# Altium PCB MINI_BLDC_DRV.PcbDoc (part 2 of 2)
Units mil, origin at the board's own origin, x right, y up, seen from the top; angles counter-clockwise.
Board outline 3935 x 3067 mil, 2 copper layers (Top Layer, Bottom Layer); 225 components, 152 nets, 664 pads, 235 vias.
Unrouted connection lines stored in the file: 45.
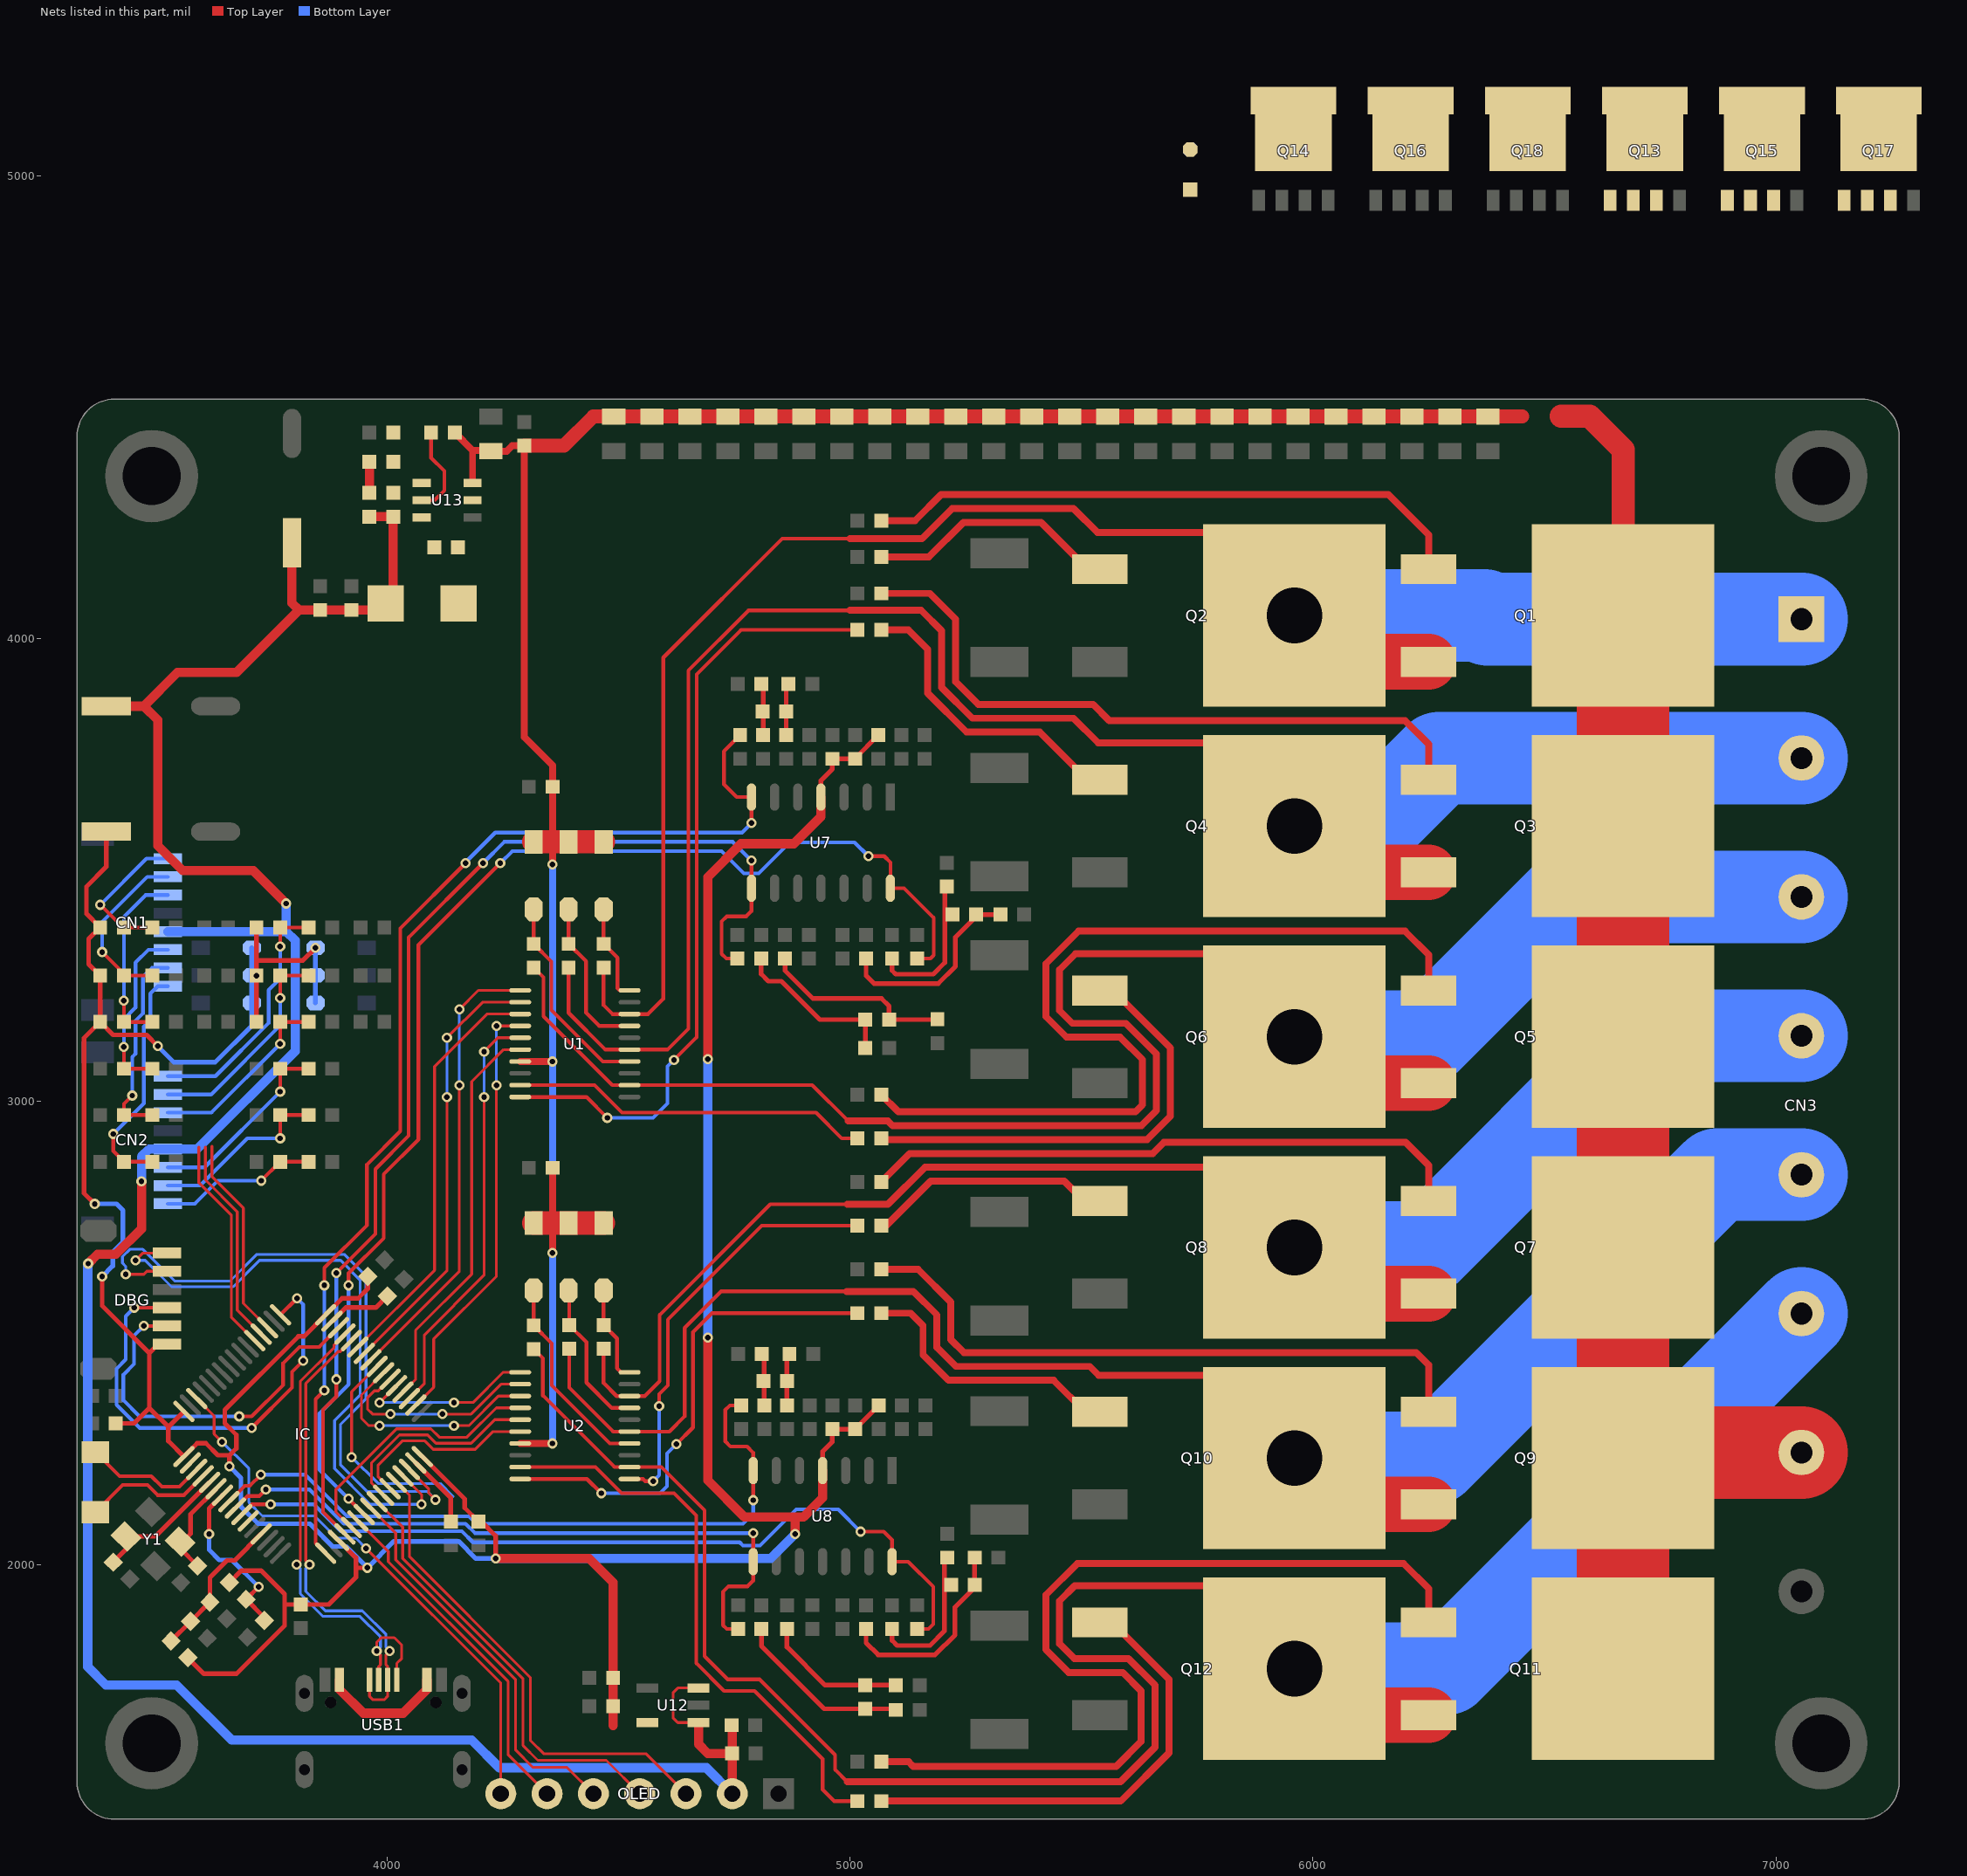
[diagram p2: the nets of this part, all layers, seen from the top]

## Via types
v1: diameter 22, hole 12, Top Layer to Bottom Layer, 229 vias
v2: diameter 180, hole 120, Top Layer to Bottom Layer, 6 vias

## Nets (pads, with @x,y where several pads share a name; then routed paths per layer and width w, separated by ;. In a path a pad name is that pad's centre, name@x,y a point inside that pad or via, vN(x,y) a via of type N, cw(c..) or ccw(c..) an arc to the next point about the centre after c; other vN are vias at no path point) (continued)
LO12: D12.2 R11.1 U2.11 | length 908.6
  Top Layer w8: U2.11@4524.11,2184.84 4553.16,2184.84 4558,2180 v1(4575,2180) ; v1(4588,2342) 4588,2368 4607,2387 4607,2529 4809.8,2731.8 R11.1@5016.41,2731.8
  Bottom Layer w8: v1(4575,2180) 4588,2193 v1(4588,2342)
LO21: D6.2 R5.1 U1.10 | length 1689.8
  Top Layer w8: U1.10@4287.89,3009.84 4431.16,3009.84 v1(4476,2965) ; v1(4620,3090) 4669,3139 4669,3923 4765,4019 R5.1@5016.41,4019
  Bottom Layer w8: v1(4476,2965) 4575,2965 4606,2996 4606,3076 v1(4620,3090)
LO22: D15.2 R14.1 U2.10 | length 1064.7
  Top Layer w8: U2.10@4287.89,2184.84 4432.16,2184.84 v1(4463,2154) ; v1(4625,2260) 4661,2296 4661,2502 4702,2543 R14.1@5016.41,2543
  Bottom Layer w8: v1(4463,2154) 4590,2154 4605,2169 4605,2240 v1(4625,2260)
LO31: D9.2 R8.1 U1.9 | length 776.1
  Top Layer w8: U1.9@4287.89,3035.43 4448.57,3035.43 4508,2976 4927,2976 4982.4,2920.6 R8.1@5016.41,2920.6
LO32: D18.2 R17.1 U2.9 | length 1252.9
  Top Layer w8: U2.9@4287.89,2210.43 4450.57,2210.43 4507,2154 4620,2154 4668,2106 4668,1787 4728,1727 4794,1727 4941,1580 4941,1514 4966,1489 R17.1@5016.41,1489
MOTOR_U1: C1.1 CN3.1 Q1.3 Q2.2 U1.18 | length 4000.8
  Top Layer w8: C1.1@4468,3289.41 4468,3208 4487.02,3188.98 U1.18@4524.11,3188.98 4563.98,3188.98 4597,3222 4597,3959 4854,4216 5000,4216
  Top Layer w15: 5000,4216 5156,4216 5221,4281 5483,4281 5535,4229 5771,4229 5950,4050 v2(5960,4050)
  Top Layer w120: Q2.2@5950,4050 6050,3950 Q1.3@6250,3950
  Bottom Layer w200: v2(5960,4050) 6370,4050 6378,4042 CN3.1@7055,4042
MOTOR_U2: C7.1 CN3.4 Q7.3 Q8.2 U2.18 | length 3544
  Top Layer w8: C7.1@4468,2466 4468,2392 4496.02,2363.98 U2.18@4524.11,2363.98 4556.98,2363.98 4589,2396 4589,2539 4828,2778 4994,2778
  Top Layer w15: 4994,2778 5082,2778 5162,2858 5783.96,2858 Q8.2@5785.48,2859.52 ; Q8.2@5793,2852 v2(5960,2685)
  Top Layer w120: v2(5960,2685) 6060,2585 Q7.3@6250,2585
  Bottom Layer w200: v2(5960,2685) 6248,2685 6705,3142 CN3.4@7055,3142
MOTOR_V1: C3.1 CN3.2 Q3.3 Q4.2 U1.15 | length 4296.7
  Top Layer w8: C3.1@4392.5,3289.41 4392.5,3191.5 4471.8,3112.2 U1.15@4524.11,3112.2 4606.2,3112.2 4651,3157 4651,3931 4781,4061 5000,4061
  Top Layer w15: 5000,4061 5154,4061 5198,4017 5198,3894.57 5264.57,3828 5483,3828 5536,3775 5780,3775 v2(5960,3595)
  Top Layer w120: v2(5960,3595) 6060,3495 Q3.3@6250,3495
  Bottom Layer w200: v2(5960,3595) 6126,3595 6273,3742 CN3.2@7055,3742
MOTOR_V2: C9.1 CN3.5 Q9.3 Q10.2 U2.15 | length 3784.2
  Top Layer w8: C9.1@4394,2466 4394,2382 4488.8,2287.2 U2.15@4524.11,2287.2 4610.2,2287.2 4643,2320 4643,2511 4722,2590 4993,2590
  Top Layer w15: 4993,2590 5137,2590 5188,2539 5188,2469 5229,2428 5518,2428 5537,2409 5811,2409 Q10.2@5960,2260
  Top Layer w120: v2(5960,2230) 6060,2130 Q9.3@6250,2130
  Bottom Layer w200: v2(5960,2230) 6261,2230 6873,2842 CN3.5@7055,2842
MOTOR_W1: C5.1 CN3.3 Q5.3 Q6.2 U1.12 | length 4154.8
  Top Layer w8: C5.1@4317,3289.41 4338,3268.4 4338,3184 4486.57,3035.43 U1.12@4524.11,3035.43 4918.57,3035.43 4996,2958
  Top Layer w15: 4996,2958 5082.16,2958 5092.16,2948 5629.43,2948 5662,2980.57 5662,3103 5596,3169 5480.43,3169 5453,3196.43 5453,3285 5487,3319 5781,3319 v2(5960,3140)
  Top Layer w120: v2(5960,3140) 6060,3040 Q5.3@6250,3040
  Bottom Layer w200: v2(5960,3140) 6248,3140 6550,3442 CN3.3@7055,3442
MOTOR_W2: C11.1 CN3.6 Q11.3 Q12.2 U2.12 | length 4818.6
  Top Layer w8: C11.1@4317,2465.41 4337,2445.41 4337,2365 4491.57,2210.43 U2.12@4524.11,2210.43 4592.57,2210.43 4686,2117 4686,1802 4736,1752 4805,1752 4968,1589 4968,1557 4994,1531
  Top Layer w15: 4994,1531 5584.43,1531 5659,1605.57 5659,1739.57 5601.57,1797 5485,1797 5453,1829 5453,1921.57 5485.43,1954 5781,1954 v2(5960,1775)
  Top Layer w120: v2(5960,1775) 6060,1675 Q11.3@6250,1675
  Bottom Layer w200: v2(5960,1775) 6288,1775 CN3.6@7055,2542
NetC16_1: C16.1 R21.2 R22.1 | length 112.4
  Top Layer w10: R22.1@4862.5,3791.59 4862.5,3897.09 R21.2@4867.41,3902
NetC16_2: C16.2 R24.2 R25.1 | length 112.1
  Top Layer w10: R24.2@4808.59,3902 4812.75,3897.83 R25.1@4812.75,3791.59
NetC17_1: C17.1 R27.2 R28.1 | length 416.4
  Top Layer w10: R28.1@4859.85,3308.99 4859.85,3283.15 4920.41,3222.59 5068.41,3222.59 5084.59,3206.41 C17.1@5084.59,3177 5188.42,3177 R27.2@5189,3177.59
NetC17_2: C17.2 R30.2 R31.1 | length 360.2
  Top Layer w10: R31.1@4808.43,3308.99 4808.43,3275.57 4824,3260 4852,3260 4935,3177 C17.2@5033.41,3177 R30.2@5033.41,3116
NetC18_1: C18.1 R33.2 R34.1 | length 431.2
  Top Layer w10: R34.1@5035,3308.99 5035,3272 5052,3255 5191,3255 5228,3292 5228,3355 C18.1@5272.59,3399.59 ; C18.1@5272.59,3404 R33.2@5325.41,3404
NetC18_2: C18.2 R36.2 R37.1 | length 319.7
  Top Layer w10: R37.1@5091,3308.99 5091,3283 5099,3275 5180,3275 5205,3300 5205,3460.42 R36.2@5209,3464.41
NetC22_1: C22.1 R41.2 R42.1 | length 113.7
  Top Layer w10: R42.1@4864,2343.59 4864,2449.59 R41.2@4869.41,2455
NetC22_2: C22.2 R44.2 R45.1 | length 113.7
  Top Layer w10: R44.2@4809.59,2455 4815,2449.58 R45.1@4815,2343.59
NetC23_1: C23.1 R47.2 R48.1 | length 308.8
  Top Layer w10: R48.1@4864,1860.98 4864,1822 4946.41,1739.59 C23.1@5033,1739.59 5098.82,1739.59 R47.2@5099.41,1739
NetC23_2: C23.2 R50.2 R51.1 | length 384.6
  Top Layer w10: R51.1@4809,1860.98 4809,1824 4944.59,1688.41 C23.2@5033,1688.41 5097,1688.41 R50.2@5099.41,1686
NetC24_1: C24.1 R53.2 R54.1 | length 433.7
  Top Layer w10: R54.1@5035,1860.98 5035,1831 5061,1805 5184,1805 5227,1848 5227,1908 C24.1@5272.3,1953.3 ; R53.2@5269.41,2015 5269.41,1956.18 C24.1@5269.59,1956
NetC24_2: C24.2 R56.2 R57.1 | length 316.9
  Top Layer w10: R57.1@5091,1860.98 5091,1836 5102,1825 5173,1825 5204,1856 5204,2009 R56.2@5210,2015
NetC28_1: C28.1 CN1.8 R71.1 | length 511.5
  Top Layer w8: v1(3409,2930) 3409,2893.01 C28.1@3432,2870.01 R71.1@3493.34,2870.01
  Bottom Layer w8: v1(3409,2930) 3475,2996 3475,3162 3489,3176 3489,3233 3505.2,3249.2 CN1.8@3526.79,3249.2
NetC29_1: C29.1 CN1.7 R70.1 | length 438.2
  Top Layer w8: v1(3450,3013) 3432,2995 C29.1@3432,2971.01 R70.1@3493.34,2971.01
  Bottom Layer w8: v1(3450,3013) 3450,3096.19 3457,3103.19 3457,3174 3473,3190 3473,3269 3492.57,3288.57 CN1.7@3526.79,3288.57
NetC30_1: C30.1 CN1.6 R69.1 | length 382
  Top Layer w8: v1(3432,3118) C30.1@3432,3071.01 R69.1@3493.34,3071.01
  Bottom Layer w8: v1(3432,3118) 3432,3178 3457,3203 3457,3300 3484.95,3327.95 CN1.6@3526.79,3327.95
NetC34_1: C34.1 CN2.8 R80.1 | length 341.7
  Top Layer w8: v1(3728.55,2829) C34.1@3769.55,2870.01 R80.1@3830.89,2870.01
  Bottom Layer w8: CN2.8@3526.79,2779.2 3585.2,2779.2 3635,2829 v1(3728.55,2829)
NetC35_1: C35.1 CN2.7 R79.1 | length 396.8
  Top Layer w8: v1(3769.55,2920.55) C35.1@3769.55,2971.01 R79.1@3830.89,2971.01
  Bottom Layer w8: CN2.7@3526.79,2818.57 3596.57,2818.57 3698.55,2920.55 v1(3769.55,2920.55)
NetC36_1: C36.1 CN2.6 R78.1 | length 421.4
  Top Layer w8: v1(3769.55,3021.45) C36.1@3769.55,3071.01 R78.1@3830.89,3071.01
  Bottom Layer w8: CN2.6@3526.79,2857.95 3606.05,2857.95 v1(3769.55,3021.45)
NetC59_1: C59.1 R60.2 | length 67.4
  Top Layer w20: C59.1@3962.41,4314.59 R60.2@3962.41,4382
NetC73_1: C73.1 U13.6
NetC73_2: C73.2 L1.1 U13.2
NetCN1_1: CN1.1 R63.2 R66.1 | length 319.8
  Top Layer w8: v1(3381,3425) 3430,3376 R63.2@3432,3376 R66.1@3493.34,3376
  Bottom Layer w8: v1(3381,3425) 3480.8,3524.8 CN1.1@3526.79,3524.8
NetCN1_2: CN1.2 R64.2 R67.1 | length 378.9
  Top Layer w8: v1(3385,3323) 3432,3276 R64.2@3432,3272 R67.1@3493.34,3272
  Bottom Layer w8: v1(3385,3323) 3385,3388 3482.43,3485.43 CN1.2@3526.79,3485.43
NetCN1_3: CN1.3 R65.2 R68.1 | length 402.6
  Top Layer w8: v1(3432,3218) R65.2@3432,3172 R68.1@3493.34,3172
  Bottom Layer w8: v1(3432,3218) 3432,3399 3479.05,3446.05 CN1.3@3526.79,3446.05
NetCN2_1: CN2.1 R72.2 R75.1 | length 543.4
  Top Layer w8: v1(3769.55,3335) R72.2@3769.55,3376 R75.1@3830.89,3376
  Bottom Layer w8: CN2.1@3526.79,3054.8 3629.8,3054.8 3744.55,3169.55 3744.55,3240.55 3769.55,3265.55 v1(3769.55,3335)
NetCN2_2: CN2.2 R73.2 R76.1 | length 473.3
  Top Layer w8: v1(3769.55,3223.45) R73.2@3769.55,3272 R76.1@3830.89,3272
  Bottom Layer w8: CN2.2@3526.79,3015.43 3620.43,3015.43 3769.55,3164.55 v1(3769.55,3223.45)
NetCN2_3: CN2.3 R74.2 R77.1 | length 413.1
  Top Layer w8: v1(3769.55,3124.55) R74.2@3769.55,3172 R77.1@3830.89,3172
  Bottom Layer w8: CN2.3@3526.79,2976.05 3621.05,2976.05 v1(3769.55,3124.55)
NetD2_1: D2.1 Q1.1 R1.2 | length 1315.6
  Top Layer w15: R1.2@5067.59,4255 5141,4255 5197,4311 6163,4311 6250,4224 Q1.1@6250,4150
NetD3_1: D3.1 Q2.1 R2.2 | length 545.2
  Top Layer w15: R2.2@5067.59,4176.33 5170.33,4176.33 5245,4251 5413,4251 5514,4150 Q2.1@5540,4150
NetD5_1: D5.1 Q3.1 R4.2 | length 1473.4
  Top Layer w15: R4.2@5067.59,4097.66 5172.34,4097.66 5228,4042 5228,3907 5277,3858 5525,3858 5560,3823 6199,3823 6250,3772 Q3.1@6250,3695
NetD6_1: D6.1 Q4.1 R5.2 | length 662.2
  Top Layer w15: R5.2@5067.59,4019 5126,4019 5168,3977 5168,3882.15 5252.15,3798 5410,3798 5513,3695 Q4.1@5540,3695
NetD8_1: D8.1 Q5.1 R7.2 | length 1999
  Top Layer w15: R7.2@5067.59,3015 5104.58,2978 5617,2978 5632,2993 5632,3090.57 5583.57,3139 5468,3139 5423,3184 5423,3297.43 5493.57,3368 6199,3368 6250,3317 Q5.1@6250,3240
NetD9_1: D9.1 Q6.1 R8.2 | length 1001.4
  Top Layer w15: R8.2@5067.59,2920.6 5072.36,2925.37 5079.73,2918 5641.85,2918 5692,2968.15 5692,3116 5568,3240 Q6.1@5540,3240
NetD11_1: D11.1 Q7.1 R10.2 | length 1315.7
  Top Layer w15: R10.2@5067.59,2826.2 5129.39,2888 5654.28,2888 5678.28,2912 6200,2912 6250,2862 Q7.1@6250,2785
NetD12_1: D12.1 Q8.1 R11.2 | length 530.1
  Top Layer w15: R11.2@5067.59,2731.8 5078.22,2731.8 5174.43,2828 5463,2828 5506,2785 Q8.1@5540,2785
NetD14_1: D14.1 Q9.1 R13.2 | length 1386.4
  Top Layer w15: R13.2@5067.59,2637.4 5147.6,2637.4 5218,2567 5218,2486 5246,2458 6223,2458 6250,2431 Q9.1@6250,2360
NetD15_1: D15.1 Q10.1 R14.2 | length 597.5
  Top Layer w15: R14.2@5067.59,2543 5131,2543 5158,2516 5158,2453 5213,2398 5440,2398 5508,2330 Q10.1@5540,2330
NetD17_1: D17.1 Q11.1 R16.2 | length 2008.1
  Top Layer w15: R16.2@5067.59,1574 5127,1574 5137,1564 5575,1564 5629,1618 5629,1727.15 5589.15,1767 5472.57,1767 5423,1816.57 5423,1934 5491,2002 6196,2002 6250,1948 Q11.1@6250,1875
NetD18_1: D18.1 Q12.1 R17.2 | length 1023.4
  Top Layer w15: R17.2@5067.59,1489 5585,1489 5689,1593 5689,1752 5566,1875 Q12.1@5540,1875
NetQ13_S: Q13.S Q14.D
NetQ15_S: Q15.S Q16.D
NetQ17_S: Q17.S Q18.D
NetR59_2: R59.2 U13.5 | length 194.5
  Top Layer w8: U13.5@4075,4299 4103,4299 4124,4320 4124,4362 4095.41,4390.59 R59.2@4095.41,4445
NetR60_1: R60.1 R61.1 R62.1 U13.4
OUTB1: IC.17 R26.2 U7.7 | length 2536.3
  Top Layer w8: v1(3865,2376.23) 3846,2357.23 3846,2046.2 IC.17@3867.71,2024.49 ; v1(3865,2603) 3865,2641 3957,2733 3957,2864 4029,2936 4029,3374 v1(4170,3515) ; R26.2@4763,3791.59 4728,3756.58 4728,3685 4755.3,3657.7 U7.7@4787.5,3657.7 v1(4787.5,3601.5)
  Bottom Layer w8: v1(3865,2376.23) v1(3865,2603) ; v1(4170,3515) 4170,3517 4234,3581 4767,3581 v1(4787.5,3601.5)
OUTB2: IC.8 R46.2 U8.7 | length 1517.1
  Top Layer w8: IC.8@3658.94,2135.85 3693.09,2170 3704,2170 v1(3728,2194) ; R46.2@4765,2343.59 4740.59,2343.59 4731,2334 4731,2266 4742,2255 4778,2255 4791,2242 U8.7@4791,2203 v1(4791,2139)
  Bottom Layer w8: v1(3728,2194) 3824,2194 3914,2104 4177.19,2104 4193.19,2088 4769,2088 4791,2110 v1(4791,2139)
OUTC1: IC.20 R32.2 U7.8 | length 2518.3
  Top Layer w8: v1(3891,2400) 3891,2363 3862,2334 3862,2113.72 IC.20@3909.47,2066.25 ; v1(3891,2630) 3975,2714 3975,2854 4047,2926 4047,3354.5 v1(4207.5,3515) ; R32.2@4757,3308.99 4733.01,3308.99 4723,3319 4723,3389 4734,3400 4776,3400 4787.5,3411.5 U7.8@4787.5,3460.85 v1(4787.5,3520.5)
  Bottom Layer w8: v1(3891,2400) v1(3891,2630) ; v1(4207.5,3515) 4253.5,3561 4747,3561 v1(4787.5,3520.5)
OUTC2: IC.9 R52.2 U8.8 | length 1459.9
  Top Layer w8: IC.9@3672.86,2121.93 3698.93,2148 3724.5,2148 v1(3738.5,2162) ; R52.2@4759,1860.99 4734.01,1860.99 4726,1869 4726,1941 4738,1953 4779,1953 4791,1965 U8.8@4791,2006.15 v1(4791,2068)
  Bottom Layer w8: v1(3738.5,2162) 3833,2162 3907,2088 4170,2088 4190,2068 v1(4791,2068)
OUTD1: IC.23 R38.2 U7.14 | length 2823.7
  Top Layer w8: v1(3917.12,2142.12) IC.23@3951.23,2108.01 ; v1(3917.12,2603) 3917.12,2629.12 3993,2705 3993,2843 4068,2918 4068,3338 v1(4245,3515) ; v1(5040,3530) 5074,3530 5087.5,3516.5 U7.14@5087.5,3460.85 5117.15,3460.85 5181,3397 5181,3316 5173.99,3308.99 R38.2@5145,3308.99
  Bottom Layer w8: v1(3917.12,2142.12) 3854,2205.24 3854,2326 3917.12,2389.12 v1(3917.12,2603) ; v1(4245,3515) 4271,3541 4723,3541 4771,3493 4803,3493 4870,3560 5010,3560 v1(5040,3530)
OUTD2: IC.10 R58.2 U8.14 | length 1788.3
  Top Layer w8: IC.10@3686.78,2108.01 3708.77,2130 v1(3749,2130) ; v1(5023,2071) 5073,2071 5091,2053 U8.14@5091,2006.15 5125.85,2006.15 5180,1952 5180,1871 5169.99,1860.99 R58.2@5145,1860.99
  Bottom Layer w8: v1(3749,2130) 3842,2130 3900,2072 4162,2072 4186,2048 4762,2048 4769,2041 4806,2041 4884,2119 4975,2119 v1(5023,2071)
PA5: IC.21 U2.4 | length 581.5
  Top Layer w6: IC.21@3923.39,2080.17 3890,2113.56 3890,2162 4021,2293 4095,2293 4113,2275 4173,2275 4236.39,2338.39 U2.4@4287.89,2338.39
PA6: IC.22 OLED.6 | length 758.4
  Top Layer w6: IC.22@3937.31,2094.09 4003,2028.4 4003,2006 4262,1747 4262,1589 OLED.6@4346,1505
PA8: IC.41 U1.1 | length 984.7
  Top Layer w6: IC.41@3965.15,2442.05 4156.45,2633.35 v1(4156.45,3035.43) ; v1(4156.45,3199) 4197.6,3240.16 U1.1@4287.89,3240.16
  Bottom Layer w6: v1(4156.45,3035.43) v1(4156.45,3199)
PA9: IC.42 U1.2 | length 945.7
  Top Layer w6: IC.42@3951.23,2455.97 4129.72,2634.47 v1(4129.72,3009.84) ; v1(4129.72,3137.8) 4206.49,3214.57 U1.2@4287.89,3214.57
  Bottom Layer w6: v1(4129.72,3009.84) v1(4129.72,3137.8)
PA10: IC.43 U1.3 | length 906.4
  Top Layer w6: IC.43@3937.31,2469.89 4103,2635.58 4103,3076 4215.98,3188.98 U1.3@4287.89,3188.98
PA11: IC.44 USB1.5 USB1.7 | length 1026.4
  Top Layer w6: v1(3833,2000) 3825,2008 3825,2390.86 3894.26,2460.12 3899.69,2460.12 IC.44@3923.39,2483.81 ; USB1.5@3962.47,1750.95 3962.47,1715.53 3970,1708 3994,1708 4001.84,1715.84 USB1.7@4001.84,1750.95 4001.84,1779.54 3998,1783.38 3998,1805 v1(4006,1813)
  Bottom Layer w6: v1(3833,2000) 3825,1992 3825,1942 3867,1900 3946.97,1900 3998,1848.97 3998,1821 v1(4006,1813)
PA12: IC.45 USB1.6 USB1.8 | length 1083.3
  Top Layer w6: v1(3805,2000) 3813,2008 3813,2395.83 3885.77,2468.6 3885.77,2474.03 IC.45@3909.47,2497.73 ; USB1.6@3982.16,1750.95 3982.16,1779.54 3986,1783.38 3986,1805 v1(3978,1813) 3978,1832 3988,1842 4016,1842 4032,1826 4032,1797 4021.53,1786.53 USB1.8@4021.53,1750.95
  Bottom Layer w6: v1(3805,2000) 3813,1992 3813,1937.03 3862.03,1888 3942,1888 3986,1844 3986,1821 v1(3978,1813)
PA13: DBG.2 IC.46 | length 814.8
  Top Layer w8: v1(3475,2515.37) DBG.2@3525,2515.37 ; v1(3681,2320) 3708,2320 3776,2388 3776,2435 3811,2470 3853.9,2470 IC.46@3895.55,2511.65
  Bottom Layer w8: v1(3475,2515.37) 3454,2494.37 3454,2433 3431,2410 3431,2354.64 3465.64,2320 v1(3681,2320)
PA14: DBG.3 IC.49 | length 990.9
  Top Layer w8: v1(3454.26,2554.74) DBG.3@3525,2554.74 ; v1(3708,2295) 3795,2382 3795,2416 v1(3819,2440) ; IC.49@3770.3,2539.49 v1(3805.9,2575.1)
  Bottom Layer w8: v1(3454.26,2554.74) 3436,2536.48 3436,2443 3416,2423 3416,2345 3466,2295 v1(3708,2295) ; v1(3805.9,2575.1) 3819,2562 v1(3819,2440)
PB0: IC.26 U2.5 | length 455.2
  Top Layer w6: IC.26@3992.99,2149.77 3967,2175.75 3967,2220 4027,2280 4088,2280 4106,2262 4182,2262 4232.8,2312.8 U2.5@4287.89,2312.8
PB1: IC.27 U2.6 | length 413.8
  Top Layer w6: IC.27@4006.91,2163.69 3981,2189.59 3981,2215 4033,2267 4082,2267 4100,2249 4191,2249 4229.2,2287.2 U2.6@4287.89,2287.2
PB2: IC.28 OLED.3 | length 1061
  Top Layer w6: IC.28@4020.83,2177.61 4049,2149.43 4049,2017 4310,1756 4310,1620 4338.59,1591.41 4559.59,1591.41 OLED.3@4646,1505
PB9: IC.62 OLED.7 | length 1215.7
  Top Layer w6: IC.62@3589.35,2358.54 3627,2320.88 3627,2282 v1(3644,2265) ; v1(3955,2035) 4246,1744 OLED.7@4246,1505
  Bottom Layer w6: v1(3644,2265) 3702,2207 3702,2134 3731,2105 3844,2105 3892,2057 3933,2057 v1(3955,2035)
PB10: DBG.6 IC.29 | length 1353.1
  Top Layer w6: v1(3457,2657) 3472.85,2672.85 DBG.6@3525,2672.85 ; IC.29@4034.74,2191.53 4075,2151.27 v1(4075,2130)
  Bottom Layer w6: v1(3457,2657) 3478,2657 3535,2600 3668,2600 3725,2657 3900,2657 3942,2615 3942,2366 3887,2311 3887,2207 3964,2130 v1(4075,2130)
PB11: DBG.5 IC.30 | length 1492.7
  Top Layer w6: v1(3436,2627) 3475,2627 3481.48,2633.48 DBG.5@3525,2633.48 ; IC.30@4048.66,2205.45 4090,2164.11 4090,2155 v1(4105,2140)
  Bottom Layer w6: v1(3436,2627) 3436,2644.06 3429,2651.06 3429,2665 3445,2681 3473,2681 3541.75,2612.25 3661.25,2612.25 3719,2670 3908,2670 3955,2623 3955,2358 3900,2303 3900,2215 3957,2158 4087,2158 v1(4105,2140)
PB13: IC.34 U1.4 | length 942.1
  Top Layer w6: IC.34@4062.58,2344.62 4101,2383.03 4101,2487 4236.61,2622.61 v1(4236.61,3035.43) ; v1(4236.61,3163.39) U1.4@4287.89,3163.39
  Bottom Layer w6: v1(4236.61,3035.43) v1(4236.61,3163.39)
PB14: IC.35 U1.5 | length 906.5
  Top Layer w6: IC.35@4048.66,2358.54 4081,2390.87 4081,2496 4209.89,2624.89 v1(4209.89,3009.84) ; v1(4209.89,3107.84) 4239.84,3137.8 U1.5@4287.89,3137.8
  Bottom Layer w6: v1(4209.89,3009.84) v1(4209.89,3107.84)
PB15: IC.36 U1.6 | length 865.5
  Top Layer w6: IC.36@4034.74,2372.46 4062,2399.71 4062,2506 4183.17,2627.17 4183.17,3043.17 4252.2,3112.2 U1.6@4287.89,3112.2
PC3: IC.11
PC4: IC.24 OLED.5 | length 859.5
  Top Layer w6: IC.24@3965.15,2121.93 4019,2068.08 4019,2010 4278,1751 4278,1599 4315,1562 4389,1562 OLED.5@4446,1505
PC5: IC.25 OLED.4 | length 952.4
  Top Layer w6: IC.25@3979.07,2135.85 4034,2080.91 4034,2013 4294,1753 4294,1609 4326,1577 4474,1577 OLED.4@4546,1505
PC6: IC.37 U2.1 | length 381.9
  Top Layer w6: v1(3984.45,2350) IC.37@4020.82,2386.38 ; v1(4145,2350) 4186,2350 4251.16,2415.16 U2.1@4287.89,2415.16
  Bottom Layer w6: v1(3984.45,2350) v1(4145,2350)
PC7: IC.38 U2.2 | length 450.8
  Top Layer w6: IC.38@4006.91,2400.29 3981.61,2375 3973,2375 3958,2360 3958,2336 3969,2325 v1(4008,2325) ; v1(4120,2325) 4182,2325 4246.57,2389.57 U2.2@4287.89,2389.57
  Bottom Layer w6: v1(4008,2325) v1(4120,2325)
PC8: IC.39 U2.3 | length 494.1
  Top Layer w6: v1(3984.45,2300) 3961,2300 3945,2316 3945,2366.23 IC.39@3992.99,2414.21 ; v1(4145,2300) 4177,2300 4240.98,2363.98 U2.3@4287.89,2363.98
  Bottom Layer w6: v1(3984.45,2300) v1(4145,2300)
PC9: IC.40 | length 473.2
  Top Layer w6: v1(3924,2232) 3924,2373.07 IC.40@3979.07,2428.13
  Bottom Layer w6: v1(3924,2232) 3981,2175 4115,2175 4143,2147
PC10: IC.51 | length 441.2
  Top Layer w6: 3622,2903 3622,2838 3690,2770 3690,2564.11 IC.51@3742.46,2511.65
PC11: IC.52 | length 454.2
  Top Layer w6: 3608,2902 3608,2831 3677,2762 3677,2549.27 IC.52@3728.54,2497.73
PC12: IC.53 | length 468.2
  Top Layer w6: 3594,2902 3594,2825 3664,2755 3664,2534.43 IC.53@3714.62,2483.81
PC13: IC.2
PC14: IC.3 Y2.1 | length 265.3
  Top Layer w8: Y2.1@3370.6,2242.96 3422.56,2191 3491,2191 3514,2168 3551.9,2168 IC.3@3589.35,2205.45
PC15: IC.4 Y2.2 | length 283.4
  Top Layer w8: Y2.2@3370.6,2113.04 3429.56,2172 3483,2172 3505,2150 3561.74,2150 IC.4@3603.26,2191.53
PD0: C51.2 IC.5 Y1.3 | length 307.6
  Top Layer w10: C51.2@3408.91,2005.1 Y1.3@3464.38,2060.57 ; Y1.3@3436.54,2060.57 Y1.3@3464.38,2060.57 ; IC.5@3617.18,2177.61 3500.14,2060.57 Y1.3@3464.38,2060.57
PD1: C50.2 IC.6 Y1.1 | length 219.8
  Top Layer w10: Y1.1@3553.46,2049.43 Y1.1@3553.46,2044 ; C50.2@3591.1,1997.09 3553.46,2034.72 Y1.1@3553.46,2044 ; IC.6@3631.1,2163.69 3576,2108.58 3576,2066.54 Y1.1@3553.46,2044
POWER: CN3.7 Q1.2 Q3.2 Q5.2 Q7.2 Q9.2 Q11.2 Q13.D Q15.D Q17.D | length 3186.8
  Top Layer w50: 6536,4480 6598,4480 6670,4408 Q1.2@6670,4050
  Top Layer w200: Q11.2@6670,1775 Q9.2@6670,2230 ; Q1.2@6670,4050 Q3.2@6670,3595 Q5.2@6670,3140 Q7.2@6670,2685 Q9.2@6670,2230 ; CN3.7@7055,2242 6682,2242 Q9.2@6670,2230
RESET: C52.2 IC.7 R83.1 | length 370
  Top Layer w10: v1(3616,2066) 3616,2120.74 IC.7@3645.02,2149.77 ; v1(3723,1951.81) R83.1@3696.1,1924.9 3735.1,1885.91 C52.2@3735.1,1879.09
  Bottom Layer w10: v1(3616,2066) 3616,2032 3638,2010 3664.81,2010 v1(3723,1951.81)
VB11: C1.2 D1.2 U1.20 | length 210.7
  Top Layer w8: D1.2@4468,3415.17 C1.2@4468,3340.59 4498,3310.59 4498,3245 4502.84,3240.16 U1.20@4524.11,3240.16
VB12: C7.2 D10.2 U2.20 | length 210.8
  Top Layer w8: D10.2@4468,2592 C7.2@4468,2517.18 4497,2488.18 4497,2424 4505.84,2415.16 U2.20@4524.11,2415.16
VB21: C3.2 D4.2 U1.17 | length 344.7
  Top Layer w8: D4.2@4392.5,3415.17 C3.2@4392.5,3340.59 4430,3303.09 4430,3192 4458.61,3163.39 U1.17@4524.11,3163.39
VB22: C9.2 D13.2 U2.17 | length 330.7
  Top Layer w8: D13.2@4392.5,2592 4394,2590.5 C9.2@4394,2517.18 4431,2480.18 4431,2393 4485.61,2338.39 U2.17@4524.11,2338.39
VB31: C5.2 D7.2 U1.14 | length 448.2
  Top Layer w8: D7.2@4317,3415.17 C5.2@4317,3340.59 4355,3302.58 4355,3198 4466.39,3086.61 U1.14@4524.11,3086.61
VB32: C11.2 D16.2 U2.14 | length 441.2
  Top Layer w8: D16.2@4317,2592 C11.2@4317,2516.59 4356,2477.59 4356,2387 4481.39,2261.61 U2.14@4524.11,2261.61
VCAP1: C45.2 IC.31 | length 158
  Top Layer w10: IC.31@4062.58,2219.36 4138,2143.94 C45.2@4138,2092.59
VCAP2: C46.2 IC.47 | length 141.8
  Top Layer w10: IC.47@3881.63,2525.57 3911.06,2555 3976,2555 C46.2@4000.9,2579.91
VCC3.3: C13.2 C14.2 C19.2 C20.2 C37.2 C40.2 C41.2 C42.2 C61.1 C62.1 C69.1 D19.2 D20.2 D21.2 D22.2 D23.2 D24.2 DBG.1 IC.1 IC.19 IC.32 IC.48 IC.64 R19.1 R39.1 R63.1 R64.1 R65.1 R72.1 R73.1 R74.1 R81.1 R83.2 U7.4 U8.4 U12.5 | length 9017.4
  Top Layer w10: v1(3369,2779) 3346,2802 3346,3137.18 R65.1@3380.82,3172 ; v1(3385,2622) 3385,2559 3487,2457 ; C61.1@3393.89,3583 3393.89,3506.89 3351,3464 3351,3405.82 R63.1@3380.82,3376 3356,3351.18 3356,3296.82 R64.1@3380.82,3272 R65.1@3380.82,3172 ; C37.2@3414.4,2305 3453.8,2305 3487,2338.19 ; v1(3505,3120) 3481,3144 3408.82,3144 R65.1@3380.82,3172 ; DBG.1@3525,2476 3506,2476 3487,2457 ; IC.64@3561.51,2330.7 3528,2297.19 ; R81.1@3570.1,1798.9 3605,1764 3675,1764 3779,1868 3779,1914 ; R83.2@3659.91,1961.1 3685.81,1987 3728,1987 3779,1936 3779,1914 ; v1(3660,2212) 3660,2236 ; R74.1@3718.37,3172 v1(3718.37,3272) 3718.37,3305 ; R72.1@3718.37,3376 3718.37,3305 ; v1(3845.88,3332) 3818.88,3305 3718.37,3305 ; IC.19@3895.55,2052.33 3933,2014.88 3933,1995 ; v1(3958,1993) 3935,1993 3933,1995 ; C41.2@3958.9,2621.91 3958.9,2595.9 3938,2575 3903.22,2575 IC.48@3867.71,2539.49 3821.22,2493 3809,2493 3650,2334 3650,2305 3675,2280 3675,2251 3660,2236 ; IC.32@4076.5,2233.28 4168,2141.79 4168,2122.59 C40.2@4198,2092.59 4204.41,2092.59 4235,2062 v1(4235,2013) ; U7.4@4937.5,3657.7 4937.5,3693.5 4962,3718 C14.2@4962,3740.41 C13.2@5011.75,3740.41 5011.75,3741.84 R19.1@5061.5,3791.59 ; U8.4@4941,2203 4941,2244 4962,2265 C20.2@4962,2292.41 C19.2@5011,2292.41 5011,2292.59 R39.1@5062,2343.59 ; 3487,2338.19 3528,2297.19 ; 3487,2338.19 3487,2457 ; 3528,2297.19 3528,2266.79 IC.1@3561.51,2233.28 3590.22,2262 3609,2262 3635,2236 3660,2236 ; 3779,1914 3779.41,1913.59 C42.2@3814,1913.59 3874.59,1913.59 3933,1972 3933,1995
  Top Layer w20: v1(4235,2013) 4437,2013 4488.59,1961.41 C62.1@4488.59,1755 C69.1@4488.59,1694 4488.59,1652.59 ; v1(4693,2490) 4693,2182 4772,2103 4882,2103 ; v1(4693,3092) 4693,3485 4765,3557 4879,3557 4937.5,3615.5 U7.4@4937.5,3657.7 ; v1(4882,2066) 4882,2103 ; U8.4@4941,2203 4941,2144 4900,2103 4882,2103
  Bottom Layer w10: v1(3369,2779) 3416,2779 3430,2765 3430,2697 3408,2675 3408,2645 v1(3385,2622) ; v1(3505,3120) 3540,3085 3629,3085 3708.12,3164.12 D21.2@3708.12,3213 D20.2@3708.12,3272.5 D19.2@3708.12,3332 ; v1(3660,2212) 3685,2187 3685,2125 3722,2088 3834,2088 3883,2039 3912,2039 v1(3958,1993) 4015,2050 4155,2050 4192,2013 v1(4235,2013) ; D24.2@3845.88,3213 v1(3845.88,3332)
  Bottom Layer w20: v1(4235,2013) 4829,2013 v1(4882,2066) ; v1(4693,2490) v1(4693,3092)
VCC3.3A: C38.2 C39.2 IC.13 R81.2 | length 321.3
  Top Layer w10: R81.2@3533.91,1835.1 C38.2@3575.91,1877.1 C39.2@3617.91,1919.1 3617.91,1971.91 3655,2009 3671.29,2009 IC.13@3728.54,2066.25
VCC5: C56.1 C57.1 C58.1 C59.2 C60.1 C68.1 C88.1 CN1.5 CN2.5 L1.2 OLED.2 R61.2 U12.1 U12.3 | length 5869.7
  Top Layer w6: U12.1@4673.12,1658.6 4628.4,1658.6 4618,1669 4618,1723 4628.4,1733.4 U12.3@4673.12,1733.4
  Top Layer w20: v1(3355,2650) 3375,2670 3415,2670 3470,2725 v1(3470,2828) ; C88.1@3393.89,3854 3475,3854 ; v1(3782.68,3427.68) 3711.37,3499 3559,3499 3505,3553 3505,3824 3475,3854 ; C56.1@3795,4207 3795,4077 3810.18,4061.82 ; C59.2@3962.41,4263.41 R61.2@4013.59,4263.41 4013.59,4092.33 L1.2@3997.26,4076 3983.08,4061.82 C58.1@3923,4061.82 C57.1@3856,4061.82 3810.18,4061.82 ; U12.1@4673.12,1658.6 4673.12,1611.88 4693,1592 C60.1@4745.41,1592 ; OLED.2@4746,1505 C68.1@4746,1651.4 ; 3475,3854 3548,3927 3675.36,3927 3810.18,4061.82
  Bottom Layer w20: v1(3355,2650) 3354,2649 3354,1779 3393,1740 3546,1740 3665,1621 4183,1621 4243,1561 4690,1561 OLED.2@4746,1505 ; v1(3470,2828) 3470,2881 3486.32,2897.32 CN2.5@3526.79,2897.32 3590.32,2897.32 3802,3109 3802,3348 3782.68,3367.32 ; CN1.5@3526.79,3367.32 3782.68,3367.32 ; v1(3782.68,3427.68) 3782.68,3367.32
VCC11: C2.2 C4.2 C63.1 C64.1 C65.2 C66.2 C67.2 C70.2 C71.2 C72.2 C74.2 C75.2 C76.2 C77.2 C78.2 C79.2 C80.2 C81.2 C82.2 C83.2 C84.2 C85.2 C86.2 C87.2 C89.2 C90.2 C91.2 C92.2 D1.1 D4.1 D7.1 D10.1 D13.1 D16.1 R59.1 U1.7 U2.7 U13.3 | length 5235.4
  Top Layer w15: R59.1@4146.59,4445 4185,4406.6 ; U13.3@4185,4336.4 4185,4406.6 ; U2.7@4287.89,2261.61 v1(4357.61,2261.61) ; U1.7@4287.89,3086.61 v1(4357.61,3086.61) ; v1(4357.61,2673) 4357.61,2735.28 4357.77,2735.44 ; v1(4357.61,3512) 4357.61,3558.45 4357.77,3558.61 ; C4.2@4357.77,2857 4357.77,2737.67 4357.77,2735.44 ; 4360,2737.67 4357.77,2735.44 ; 4360,3560.83 4357.77,3558.61 ; 4185,4406.6 4223,4406.6 C63.1@4225,4404.6 4258.6,4404.6 4270.41,4416.41 C64.1@4297,4416.41 4297,3787 4357.77,3726.23 C2.2@4357.77,3680 4357.77,3560.83 4357.77,3558.61
  Top Layer w30: C64.1@4297,4416.41 4382.41,4416.41 4446,4480 4654.18,4480 5064.61,4480 5475.05,4480 5803.39,4480 6049.65,4480 6295.92,4480 6452,4480
  Top Layer w50: D16.1@4317,2737.67 4357.77,2737.67 4360,2737.67 D13.1@4392.5,2737.67 D10.1@4468,2737.67 ; D7.1@4317,3560.83 4357.77,3560.83 4360,3560.83 D4.1@4392.5,3560.83 D1.1@4468,3560.83
  Bottom Layer w15: v1(4357.61,2261.61) v1(4357.61,2673) v1(4357.61,3086.61) v1(4357.61,3512)
VUSB: USB1.2 USB1.11 | length 272.6
  Top Layer w20: USB1.2@3897.51,1750.95 3897.51,1730.49 3949,1679 4035,1679 4086.49,1730.49 USB1.11@4086.49,1750.95
pads on no net: C65.1 C66.1 C67.1 C70.1 C71.1 C72.1 C74.1 C75.1 C76.1 C77.1 C78.1 C79.1 C80.1 C81.1 C82.1 C83.1 C84.1 C85.1 C86.1 C87.1 C89.1 C90.1 C91.1 C92.1 CN1.0 CN2.0 DBG.A DBG.B Q13.G Q14.G Q15.G Q16.G Q17.G Q18.G U12.4 USB1. USB1.SH1 USB1.SH2 USB1.SH3 USB1.SH4

## Polygon pours and split planes (outlines as drawn)
VCC3.3 on Top Layer "AutoNaming" (solid, remove dead copper, pour order 64): 4471,1709 4471,1653 4483,1641 4584,1641 4593,1650 4593,1681 4536,1681 4504,1713 4475,1713
DGND on Top Layer "AutoNaming" (solid, remove dead copper, pour order 60): 4165,4253 4202,4216 4253,4216 4268,4231 4268,4297 4259,4306 4232,4306 4223,4297 4223,4280 4213,4270 4165,4270
NetC73_1 on Top Layer "AutoNaming" (solid, remove dead copper, pour order 54): 4117,4174 4056,4174 4049,4181 4049,4272 4052,4275 4095,4275 4102,4268 4102,4239 4117,4224
NetC73_2 on Top Layer "AutoNaming" (solid, remove dead copper, pour order 52): 4134,4227 4134,4141 4112,4119 4112,4032 4198,4032 4208,4042 4208,4191.98 4156,4244 4156,4276 4165,4285 4208,4285 4208,4310 4133,4310 4116,4293 4116,4245
NetR60_1 on Top Layer "AutoNaming" (solid, remove dead copper, pour order 50): 3996,4452 3996,4422 3996,4300 3999,4297 4009,4297 4030,4297 4032,4299 4035,4302 4035,4316 4035,4319 4041,4325 4042,4326 4053,4326 4096,4326 4097,4327 4098,4328 4098,4332 4098,4346 4093,4351 4086,4358 4069,4358 4067,4358 4044,4381 4042,4383 4042,4416 4042,4452 4033,4461 4030,4464 4020,4464 3999,4464 3996,4461 3996,4452
CURRENT_V1 on Top Layer "AutoNaming" (solid, remove dead copper, pour order 47): 5290,3448 5410,3448 5591,3448 5604,3461 5604,3527 5597,3534 5481,3534 5471,3524 5258,3524 5252,3518 5252,3451 5255,3448
DGND on Top Layer "AutoNaming" (solid, remove dead copper, pour order 45): 5262,3759 5251,3748 5251,3561 5260,3552 5385,3552 5395,3562 5395,3749 5385,3759
DGND on Top Layer "AutoNaming" (solid, remove dead copper, pour order 41): 5262,4223 5251,4212 5251,4025 5260,4016 5385,4016 5395,4026 5395,4213 5385,4223
CURRENT_W1 on Top Layer "AutoNaming" (solid, remove dead copper, pour order 39): 5251,3119 5442,3119 5456,3105 5579,3105 5606,3078 5606,3007 5601,3002 5479,3002 5474,3007 5251,3007
DGND on Top Layer "AutoNaming" (solid, remove dead copper, pour order 37): 5262,3355 5251,3344 5251,3157 5260,3148 5385,3148 5395,3158 5395,3345 5385,3355
CURRENT_U2 on Top Layer "AutoNaming" (solid, remove dead copper, pour order 35): 5260,2489 5543,2489 5605,2551 5605,2616 5598,2623 5479,2623 5425,2569 5262,2569 5254.5,2561.5 5254.5,2494.5
DGND on Top Layer "AutoNaming" (solid, remove dead copper, pour order 33): 5262,2801 5251,2790 5251,2603 5260,2594 5385,2594 5395,2604 5395,2791 5385,2801
CURRENT_V2 on Top Layer "AutoNaming" (solid, remove dead copper, pour order 31): 5258,2059 5565,2059 5604,2098 5604,2163.92 5598.92,2169 5481,2169 5445,2133 5257,2133 5252,2128 5252,2065
DGND on Top Layer "AutoNaming" (solid, remove dead copper, pour order 29): 5262,2371 5251,2360 5251,2173 5260,2164 5385,2164 5395,2174 5395,2361 5385,2371
DGND on Top Layer "AutoNaming" (solid, remove dead copper, pour order 27): 5262,1907 5251,1896 5251,1709 5260,1700 5385,1700 5395,1710 5395,1897 5385,1907
CURRENT_W2 on Top Layer "AutoNaming" (solid, remove dead copper, pour order 25): 5259,1595 5379,1595 5558,1595 5600,1637 5602,1639 5602,1667 5602,1707 5599,1710 5598,1711 5568,1711 5479,1711 5463,1695 5436,1668 5363,1668 5260,1668 5257,1665 5257,1610 5257,1597
CURRENT_U1 on Top Layer "AutoNaming" (solid, remove dead copper, pour order 70): 5292,3911 5598,3911 5606,3919 5606,3983 5603,3986 5575,3986 5259,3986 5254,3981 5254,3914 5257,3911
DGND on Bottom Layer "AutoNaming" (solid, remove dead copper, pour order 71): 3331,1530 ccw(c3411,1530) 3411,1450 7186,1450 ccw(c7186,1530) 7266,1530 7266,4437 ccw(c7186,4437) 7186,4517 3411,4517 ccw(c3411,4437) 3331,4437

## Other copper
Top Layer:
  rectangle net VCC11: 6424,4455 6498,4505
  rectangle net POWER: 6503,4455 6577,4505
Bottom Layer:
  pour cut-out: 5906,4199 5826,4119 5826,1712 5896,1642 6364,1642 6890,2168 7088,2168 7183,2263 7183,4111 7095,4199

## Silkscreen, mask and mechanical layers (free items; w line width, h text height)
Top Solder:
  rectangle: 6424,4455 6498,4505
  rectangle: 6503,4455 6577,4505
  text "PWR" at 4516,4457 h72
Mechanical 1:
  the board outline again, w5

## Dimensions
3331,1450 to 7266,1450 on Mechanical 1
3331,4517 to 3331,1450 on Mechanical 1